# Allegro board RK3588S_Tablet_Demo_LP4XD200P232SD10H2_V11_20220218.brd (continued)
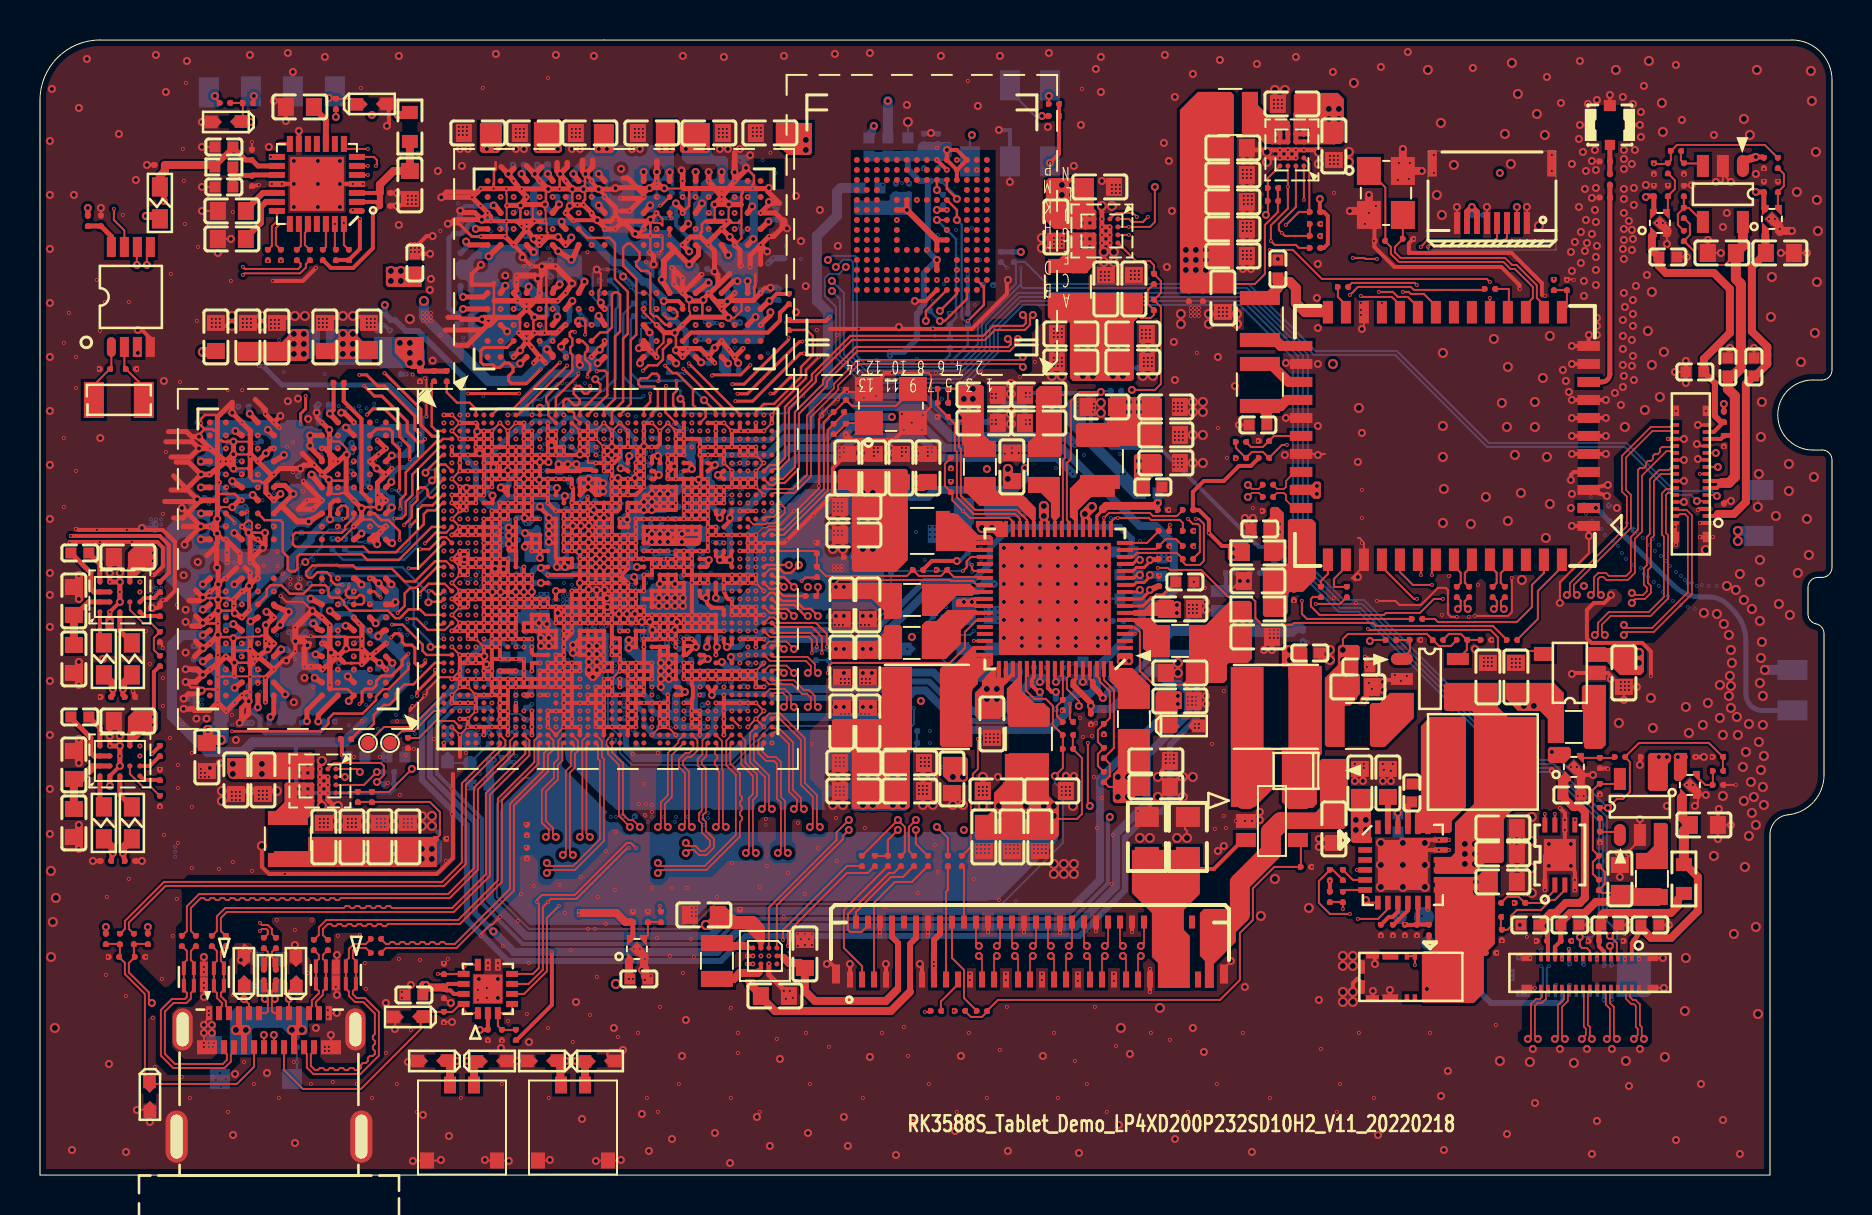
[diagram p0: board, top side]
## Routing (per net, layer and track width the routed paths; a pad name or vN(x,y) marks a point on that pad's centre or on a via; arc(x,y) is an arc through that point) (continued)
VBUS_TYPEC: length 6.2
  TOP w0.1: 9.94,7.45 9.95,7.46
  TOP w0.2: U2600.2 C2617.2 v5(21.99,7.25)
  TOP w0.3: J2600.B4 12.7,7.15 v4(12.59,7.25) ; J2600.A4 9.95,8.09 9.95,7.46 ; v4(13.09,7.25) 12.95,7.4 12.95,8.09 J2600.A9 ; v4(9.79,7.25) 9.94,7.45 ; J2600.B9 10.2,7.25
  TOP w0.5: v4(9.79,7.25) v4(10.29,7.25) ; v4(12.59,7.25) v4(13.09,7.25)
  BOTTOM w0.1: R2264.1 12.59,7.15 v4(12.59,7.25)
  vias: v4(65.79,17.75) v4(65.79,17.25) v4(66.29,17.75) v4(66.29,17.25)
VCC1V8_PMU_DDR_S3: length 216.4
  TOP w0.2: U1000.Y37 v5(34.49,30.75) U1000.V37 ; v5(63.99,48.8) R1112.1 64.19,48.15 64.39,47.95 64.39,46.55 64.19,46.35 R1111.1 ; U1000.V36 34.19,31.09 34.05,30.79 v5(33.99,30.75) 33.79,30.95 U1000.V35 ; U1000.N37 v5(34.49,32.85) 34.49,32.7 U1000.R36
  TOP w0.203: v5(14.5,32.78) 14.5,33.52 14.71,33.73 14.89,33.73 U3800.T4 ; U3801.T4 32.13,43.49 31.93,43.69 v5(31.19,43.69)
  TOP w0.254: 17.29,34.38 v5(17.57,34.65) ; U3801.U1 v5(33.05,40.63)
  TOP w0.279: v5(10.53,27.68) 10.56,27.67 U3800.G9 ; v5(26.08,47.67) 26.08,47.5 U3801.G9 ; v5(32.78,50.15) U3801.U12 ; v5(16.91,26.94) 17.19,27.23 U3800.F1 ; U3801.G4 v5(26.62,43.7) ; U3801.T9 32.15,47.3 v5(32.41,47.56) ; U3800.G4 v5(14.49,28.21) ; v5(10.63,34) 10.89,33.74 U3800.T9 ; U3801.F12 v5(25.4,50.05) ; v5(8.14,26.99) U3800.F12 8.49,27.23 ; U3801.F1 25.63,41 v5(25.35,41.29) ; U3800.U12 v5(8.04,34.38)
  TOP w0.4: v5(34.49,30.75) v5(33.99,30.75)
  TOP w0.5: C3841.1 8.79,41.15 v4(8.14,41.15)
  S06 w0.2: v5(63.99,48.8) 54.99,48.8 52.39,46.2
  S08 w0.2: 11.29,40.45 v3(11.14,40.45) v3(10.94,40.45) ; v3(51.69,38.75) v3(51.69,38.55) v3(51.69,38.35) v3(51.89,38.35) ; v3(54.24,35.05) v3(54.04,35.05) ; v3(51.49,35.2) v3(51.64,35.05)
  S08 w0.4: v3(54.04,35.05) v3(51.64,35.05) ; 32.79,52.75 32.79,50.17 v5(32.78,50.15) ; v5(25.4,50.05) 25.39,50.06 25.39,52.75
  S08 w0.5: v4(38.29,51.75) v4(38.29,51.25) ; 7.3,34.38 6.54,33.62 6.54,27.55 7.1,26.99 v5(8.14,26.99) ; 7.3,34.38 v5(8.04,34.38) ; 7.3,34.38 7.3,40.31 v4(8.14,41.15) 10.59,41.15 11.74,40 15.44,40 17.64,42.2 17.64,42.85 18.49,43.7 v4(19.19,43.7) ; 7.3,34.38 7.29,34.4
  S08 w0.8: 18.49,43.7 18.79,44 18.79,50.75 20.79,52.75 37.29,52.75 v4(38.29,51.75)
  GND09 w0.2: v3(11.14,40.45) v3(10.94,40.45)
  BOTTOM w0.2: R1113.1 R1114.1 17.69,19.3 17.49,19.1 13.39,19.1 12.79,19.7 12.79,21.54 12.89,21.64 ; 7.72,26.99 C3844.1 ; v5(33.05,40.63) 33.39,40.6 C3886.1 33.44,40.58 ; v3(10.94,40.45) v3(11.14,40.45)
  BOTTOM w0.25: v3(11.14,40.45) 12.09,39.5 17.44,39.5 19.09,37.85 19.09,36.15 18.32,35.38 17.93,35.38 C3848.1
  BOTTOM w0.254: 25.35,41.6 26.47,42.72 C3887.1 ; 25.35,41.6 25.32,41.57 C3890.1 ; 25.35,41.6 v5(25.35,41.29) ; v5(14.5,32.78) 14.56,32.78 14.57,32.79 C3847.1 ; v5(10.63,34) 10.55,33.92 C3845.1 9.49,33.92 9.04,34.38 v5(8.04,34.38) ; v5(32.41,47.56) 32.35,47.62 C3884.1 32.35,48.73 32.78,49.16 v5(32.78,50.15) ; v5(16.91,26.94) 16.6,26.94 15.48,28.06 C3842.1 14.64,28.06 v5(14.49,28.21) ; v5(31.19,43.69) 31.19,43.63 31.17,43.61 31.17,43.22 C3885.1
  BOTTOM w0.3: C1107.1 v5(33.99,30.75) ; v5(34.49,30.75) 34.49,32.2 C1106.1 34.49,32.5 v5(34.49,32.85) 34.49,33.12 C1101.1 ; v5(17.57,34.65) 17.6,34.65 C3848.1 ; v5(33.05,40.63) 32.29,41.39 32.29,42.2 31.79,42.7 31.58,42.7 31.19,43.09 C3885.1
  BOTTOM w0.305: C3887.1 26.47,43.55 v5(26.62,43.7) ; C3843.1 18.02,26.01
  BOTTOM w0.381: v5(8.14,26.99) 8.2,26.99 8.91,26.28 10.12,26.28 10.5,26.66 C3846.1 10.5,27.65 v5(10.53,27.68) 10.53,28.24 12.58,30.28 12.58,30.79 13.54,31.76 13.54,31.93 14.4,32.78 v5(14.5,32.78) ; 25.49,47.67 C3888.1 25.55,47.67 ; 25.49,47.67 25.55,47.67 ; 25.49,47.67 25.07,47.67 24.69,48.05 24.69,49.29 25.4,50 v5(25.4,50.05) 25.37,50.08 C3889.1 ; 25.55,47.67 v5(26.08,47.67) 26.64,47.67 28.69,45.62 29.19,45.62 30.16,44.65 30.33,44.65 31.19,43.8 v5(31.19,43.69)
  BOTTOM w0.4: 35.19,33.2 37.84,35.85 39.77,35.85 40.82,36.9 43.99,36.9 45.04,35.85 45.45,35.85 45.45,35.85 50.86,35.85 51.66,35.05 v3(51.64,35.05) ; 35.19,33.2 34.84,32.85 v5(34.49,32.85) ; 35.19,33.2 C1101.1
  BOTTOM w0.5: v5(16.91,26.94) 17.09,26.94 18.02,26.01 18.23,25.8 18.23,24.65 15.22,21.64 10.63,21.64 10.14,21.15 8.39,21.15 6.59,22.95 6.59,26.5 7.08,26.99 v5(8.14,26.99) ; R2211.1 51.49,37.7 54.04,35.15 v3(54.04,35.05) R2210.1
  BOTTOM w0.508: v5(25.35,41.29) 25.35,40.85 24.2,39.71 22.42,39.71 19.19,42.93 v4(19.19,43.7)
  vias: v2(52.19,38.65) v2(52.19,38.25) v3(51.89,38.75) v3(51.89,38.55)
VCC3V3_FLASH: length 7.8
  TOP w0.25: U4000.J10 v5(43.34,48.25) U4000.K9 ; U4000.E6 44.84,46.75 U4000.F5
  TOP w0.3: 44.84,46.75 v5(43.34,48.25)
  BOTTOM w0.1: 42.79,48.45 42.79,49.03 43.44,49.03
  BOTTOM w0.5: v5(43.34,48.25) 43.14,48.45 C4007.1 R9693.2
VCC_1V1_NLDO_S3: length 27.6
  TOP w0.1: v4(65.14,26.25) 65.14,26.8 65.39,27.05 69.34,27.05 C2325.1 69.94,26.45 70.54,26.45 R2313.1
  TOP w0.15: v5(55.49,30.75) 55.54,30.71 55.21,30.38 54.82,30.38 54.65,30.2 U2200.13 ; v5(55.49,29.25) 55.49,29.2 55.09,28.8 U2200.9
  TOP w0.25: v5(55.49,30.75) 55.8,30.77 55.91,30.77 C2257.1
  TOP w0.3: C2264.1 v5(55.49,29.25)
  S08 w0.1: 65.29,26.3 65.19,26.3 v4(65.14,26.25) 65.24,26.25 65.49,26 65.49,26
  S08 w0.4: 56.04,28.95 55.74,29.25 v5(55.49,29.25) ; v5(55.49,30.75) 55.54,30.8 55.79,30.8
  S08 w0.5: v4(65.14,26.25) v4(65.14,25.75)
  S08 w1: 65.49,26 65.49,25.55 64.85,24.9 61.39,24.9 59.14,27.15 56.66,27.15 56.04,27.77 56.04,28.95 56.29,29.2 56.29,30.33 55.83,30.8 55.79,30.8 ; 65.49,26 65.44,26 ; 65.49,26 65.49,26.01
VCC_1V2_CAM1: length 22.5
  TOP w0.1: 84.79,46.05 84.24,45.5 82.89,45.5 82.74,45.65 82.74,46.15 C4629.1 82.49,47 82.49,47.55 R4645.1
  TOP w0.2: J4600.13 84.04,36.8 C4601.1 ; J4600.6 83.84,34.35 84.09,34.6 83.99,34.7 J4600.7
  TOP w0.25: C4601.1 84.22,36.98 84.74,36.98 84.74,36.95
  TOP w0.5: 84.74,36.95 84.74,34.9 84.44,34.6 84.09,34.6 ; 84.74,36.98 84.74,38.95 84.39,39.3 C4630.1 84.65,39.95 85.04,40.34 85.04,44.53 85.02,44.56 85.02,44.58 84.79,44.8 C4600.1 85.14,46.45 U4602.5
VCC_1V05: length 10
  TOP w0.1: C4700.1 78.99,14.23 ; C4721.1 78.24,15.15 78.24,14.55 R4735.2 78.09,14.1 78.94,14.1
  TOP w0.2: C4701.1 75.74,11.4 J4700.13
  TOP w0.25: C4722.1 C4701.1
  TOP w0.4: 78.94,14.1 78.97,14.1 ; 78.97,14.1 78.52,13.65 77.79,13.65 77.24,13.1 76.51,13.1 75.98,12.57 76.04,12.57 C4722.1 ; 78.97,14.1 C4700.1
  TOP w0.5: L4700.2 80.59,14 78.99,14 C4700.1
VCC_1V8_CAM1: length 14.7
  TOP w0.1: U4601.N1 80.59,47.08 ; 80.59,47.08 80.59,46.95 ; 80.59,47.08 80.59,47.08 80.62,47.1
  TOP w0.2: C4603.1 83.92,37.38 83.69,37.15 J4600.14
  TOP w0.3: C4602.1 83.74,39.6 83.74,37.95 84.04,37.65 C4603.1
  TOP w0.4: 80.59,46.95 80.59,46.25 C4623.1 80.94,45.45 81.29,45.1 83.69,45.1 84.49,44.3 84.49,42.1 83.19,40.8 C4602.1
VCC_1V8_CAM34: length 11.7
  TOP w0.1: 76.24,19.83 76.24,19.8 ; 76.24,19.83 76.32,19.9 ; 76.24,19.83 76.24,19.85 76.34,19.95 76.37,19.95
  TOP w0.2: J4700.14 75.39,11.65 C4703.1
  TOP w0.25: C4702.1 75.37,12.08 75.37,11.73 C4703.1
  TOP w0.4: C4702.1 75.54,13.1 75.79,13.1 76.29,13.6 76.99,13.6 77.24,13.85 77.24,18.16 77,18.4 76.65,18.4 76.21,18.85 76.21,19 C4719.1
  TOP w0.5: 76.24,19.8 76.14,19.7 C4719.1
VCC_1V8_LCD: length 21.2
  TOP w0.1: 29.47,10.8 29.52,10.85 U7006.N1
  TOP w0.3: 45,12.65 45,12.05 44.7,11.75 44.7,11.08 44.69,11.08 v1(44.69,10.65) v1(44.69,10.45) 44.69,9.78 J5500.15 ; 29.44,10.65 29.44,10.78 29.47,10.8
  TOP w0.4: C9629.1 29.44,9.85 29.44,10.65
  S03 w0.3: v1(44.69,10.65) v1(44.69,10.45)
  S03 w0.4: v1(44.69,10.45) 44.69,9.35 44.29,8.95 30.29,8.95 v1(29.44,9.8)
  vias: v1(29.64,9.8)
VCC_1V8_S0: length 216.9
  TOP w0.15: v5(50.79,24.65) 50.74,24.7 U2200.60
  TOP w0.2: v5(50.49,50.6) 50.94,51.05 R1904.1 R1905.1 ; U1000.G31 32.49,35.6 32.59,35.5 v5(32.59,35.3) 32.54,35.25 U1000.H31 ; U1000.AC33 32.99,28.95 33.09,28.85 v5(33.29,28.85) ; U1000.G27 30.59,35.9 30.66,35.96 30.89,35.96 v5(30.89,35.95) 30.92,35.98 30.99,35.9 U1000.G28 ; U1000.AJ34 33.39,26.4 v5(33.34,26.4) ; v5(33.29,28.85) 33.39,28.85 U1000.AC34 ; v5(33.29,28.85) 33.34,28.8 33.35,28.59 33.59,28.35 34.09,28.35 34.19,28.25 U1000.AF36 ; v1(15.99,47.8) 15.99,46.3 R1510.1 R1509.1
  S03 w0.2: v5(16.59,53) 16.09,52.5 16.09,47.9 v1(15.99,47.8) ; v2(24.14,26.1) v1(24.19,26.4)
  S03 w0.3: v5(33.34,26.4) 33.34,28.85 v5(33.29,28.85)
  S03 w0.5: v2(49.24,37.35) 49.24,38.8 49.74,39.3 49.74,41.74 50.19,42.19 50.19,44.32 49.04,45.47 v5(49.04,46.15) 49.04,49.15 v5(50.49,50.6)
  S06 w0.1: v5(50.79,24.65) 50.8,24.66 50.8,24.75
  S06 w0.2: 16.59,54.35 v5(16.59,53)
  S06 w0.3: 50.89,25.9 50.98,25.9 51.34,26.27 51.34,31.65 50.94,32.05 50.79,32.05 50.44,31.7 50.44,26.27 50.81,25.9 50.89,25.9 ; 50.89,25.9 50.88,25.92
  S06 w0.4: 18.49,24.6 18.49,22 v2(18.09,21.6) 17.99,21.5 17.49,21.5 16.89,20.9 15.5,20.9 14.6,20 12.49,20 11.29,21.2 8.49,21.2 6.59,23.1 6.59,38.15 7.09,38.65 7.09,49.21 7.99,50.1 8.99,50.1 13.24,54.35 41.74,54.35 v5(42.39,53.7)
  S06 w0.5: 50.89,25.9 50.8,25.81 50.8,24.75 ; v5(50.49,50.6) 50.49,51.1 47.34,54.25 42.94,54.25 v5(42.39,53.7) ; v5(49.24,35.35) 50.29,35.35 50.79,34.85 50.79,32.05
  S08 w0.2: v3(23.94,26.4) v2(24.14,26.1) ; v3(18.19,21.3) 18.09,21.4 v2(18.09,21.6) 18.19,21.6 v3(18.49,21.3)
  S08 w0.5: v5(49.24,35.35) v2(49.24,37.35) v3(49.24,37.7) v3(49.24,37.9)
  BOTTOM w0.1: v5(50.49,50.6) J7006.1
  BOTTOM w0.2: 49.04,38.55 49.59,39.1 52.26,39.1 52.54,38.82 52.54,37.37 53.56,36.35 55.99,36.35 60.94,31.4 R1916.1 R1917.1 61.69,30.7 62.19,30.2 R2359.1 ; C1302.1 23.69,26.65 v3(23.94,26.4)
  BOTTOM w0.25: v5(33.34,26.4) 33.34,26.7 C1903.1 ; R1921.1 R1922.1 v5(49.04,46.15)
  BOTTOM w0.3: v5(32.59,35.3) 32.59,36.55 32.79,36.75 36.49,36.75 37.17,37.43 R1911.1 R1910.1 38.57,38.53 38.99,38.95 44.24,38.95 45.54,37.65 47.42,37.65 48.32,38.55 49.04,38.55 49.24,38.35 v3(49.24,37.9) v3(49.24,37.7) ; v5(50.79,24.65) 50.99,24.85 C2246.1 ; 32.62,36.25 32.24,36.25 32.22,36.28 30.89,36.28 v5(30.89,35.95)
  BOTTOM w0.4: v5(49.24,35.35) 49.24,34.8 48.69,34.25 44.74,34.25 44.39,33.9 43.54,33.9 42.64,34.8 38.26,34.8 35.49,32.04 35.49,30.1 34.78,29.39 C1904.1 C1902.1 33.29,29.38 v5(33.29,28.85)
  BOTTOM w0.5: v5(42.39,53.7) R9692.1
VCC_1V8_S3: length 68.3
  TOP w0.1: C2243.1 51.24,39 51.24,35.85 51.14,35.75 51.14,32.75 51.09,32.55 U2200.25
  TOP w0.2: v5(59.64,31.3) 59.49,31.45 59.09,31.45 v1(58.44,32.1) 58.44,32.75 57.94,33.25 R2261.1 57.64,34.15 58.19,34.7 59.19,34.7 59.94,35.45 60.54,35.45 R2112.2 ; v5(45.84,30.7) 44.59,30.7 R2263.1
  S03 w0.2: v1(58.44,32.1) 58.04,31.7 57.29,31.7 56.89,31.3 56.69,31.1 56.34,31.1 56.14,31.3 53.89,31.3 53.79,31.2 53.79,31.15 53.5,30.85 46.73,30.85 46.68,30.8 45.94,30.8 v5(45.84,30.7)
  S03 w0.5: v5(41.69,52.45) 42.44,52.45 45.29,49.6 45.69,49.6 45.94,49.35 46.07,49.35 46.39,49.03 46.39,48.9 47.59,47.7 47.59,37.4 48.29,36.7 49.59,36.7 50.34,37.45 v4(50.34,38.3) v4(50.84,38.3)
  S08 w0.5: v5(59.64,30.9) v5(59.64,31.3) ; v4(50.34,38.3) v4(50.84,38.3)
  S08 w0.8: v5(59.64,31.3) 59.64,32.45 54.74,37.35 51.79,37.35 v4(50.84,38.3)
  BOTTOM w0.2: v5(45.84,30.7) 45.99,30.7 R2113.1
  BOTTOM w0.4: R9701.1 41.49,51.85 v5(41.69,52.45)
VCC_1V8_S3_PLDO6: length 5.2
  TOP w0.1: v5(55.89,33.6) C2248.1
  TOP w0.15: U2200.20 52.84,32.95 53.14,33.25 53.14,33.3
  TOP w0.25: v5(55.89,33.6) 55.87,33.28 55.87,33.25
  TOP w0.4: 53.14,33.3 53.14,33.3 53.3,33.45 55.74,33.45 v5(55.89,33.6)
  BOTTOM w0.4: R2210.2 v5(55.89,33.6)
VCC_2V0_PLDO_S3: length 25.9
  TOP w0.1: v5(39.79,29.4) 39.79,29.6 39.94,29.75 45.49,29.75 45.54,29.7 46.64,29.7 46.84,29.5 U2200.41
  TOP w0.15: 50.39,24.8 U2200.59
  TOP w0.2: v5(50.79,24.15) 50.59,24.15 50.39,24.35 50.39,24.8
  POWER05 w0.4: 50.79,24 v5(50.79,24.15) ; v5(40.19,29.4) 39.89,29.4
  POWER05 w0.7: 51.45,25.1 51.45,24.31 51.14,24 50.79,24
  POWER05 w0.8: 51.45,25.1 51.04,25.5 43.84,25.5 42.84,26.5 42.84,28 42.14,28.7 40.59,28.7 39.89,29.4 v5(39.79,29.4)
  BOTTOM w0.3: C2247.1 v5(50.79,24.15)
VCC_2V8_AF_CAM34: length 7.1
  TOP w0.2: J4700.6 78.19,11.19 77.94,11.44 C4707.1
  TOP w0.25: C4706.1 77.94,12.5 C4707.1
  TOP w0.4: R4718.2 81.89,13.78 81.89,13.45 81.54,13.1 78.19,13.1 78.04,12.95 C4706.1
VCC_2V8_CAM1: length 17.1
  TOP w0.1: U4600.N1 86.27,47
  TOP w0.2: J4600.2 83.79,32.95 83.89,33.05
  TOP w0.4: 83.89,33.05 C4605.1 84.69,33.05 85.29,33.65 85.29,39.55 C4619.1 85.73,39.95 85.73,39.92 86.37,40.55 86.37,40.99 86.37,41.4 85.59,42.18 85.59,45.4 C4604.1 86.27,46.1 86.27,47
VCC_2V8_CAM34: length 12.4
  TOP w0.1: 82.09,18.98 82.09,18.98 82.12,19 ; 82.09,18.98 U4702.N1 ; 82.09,18.98 82.09,18.85
  TOP w0.2: 79.59,11.58 79.59,11.6 C4705.1 ; 79.59,11.58 J4700.2 ; 79.59,11.58 79.72,11.7
  TOP w0.25: 79.72,11.7 79.72,11.73 79.94,12.1 79.94,12.5 C4729.1
  TOP w0.4: 82.27,15.53 82.89,14.9 82.89,13.2 81.55,11.85 80.56,11.85 79.98,12.44 80.04,12.44 C4729.1
  TOP w0.5: 82.09,18.85 82.09,17.9 C4704.1 82.19,17.2 R4718.1 82.29,15.53
VCC_3V3_S0: length 190.5
  TOP w0.2: U1000.AL33 33.19,26 v5(33.39,25.8) U1000.AM33 ; R1915.1 v1(64.49,14.7) 64.49,14.73
  TOP w0.3: J7002.6 71.85,48.15 v5(71.59,48.4) 71.35,48.16 J7002.7
  S03 w0.2: v2(61.89,17.8) 64.49,15.2 v1(64.49,14.7)
  S03 w0.4: v2(39.74,17.35) 39.74,16.95 39.94,16.75 45.69,16.75 v5(46.19,17.25) ; v2(55.44,26.5) 55.94,27 63.66,27 65.19,28.54 65.19,30.6 65.39,30.8 65.39,34.5 65.19,34.7 65.19,42.85 64.69,43.35 64.69,45.97 64.49,46.17 v2(64.49,46.9)
  S06 w0.2: 48.59,17.6 48.84,17.35 50.98,17.35 51.53,17.9 v5(53.49,17.9) 59.81,17.9 60.36,17.35 61.44,17.35 v2(61.89,17.8)
  S06 w0.4: v5(33.39,25.8) 33.39,25.45 36.39,22.45 36.39,20.1 37.14,19.35 37.14,17.9 38.14,16.9 39.29,16.9 v2(39.74,17.35) ; v5(46.19,17.25) 48.24,17.25 48.59,17.6 48.59,20.15 51.29,22.85
  S06 w0.5: v2(52.04,36.3) 51.44,35.7 51.44,32.85 52.34,31.95 52.34,26.05 51.5,25.2 51.5,23.96 51.29,23.75 51.29,22.85 52.95,22.85 55.44,25.35 v2(55.44,26.5)
  S08 w0.2: v2(55.44,26.5) v3(55.79,26.65) ; v2(55.44,26.5) v3(55.79,26.45) v3(55.79,26.65) ; v2(55.44,26.5) 55.79,26.85 v3(55.8,26.85) v3(55.79,26.65) ; v3(51.59,36.65) v3(51.74,36.5)
  S08 w0.4: v3(51.74,36.5) v2(52.04,36.3) ; v5(71.59,48.4) 70.09,46.9 v2(64.49,46.9)
  S08 w0.5: v3(39.39,39.7) v3(39.39,39.5) 39.39,39.1 40.04,38.45 v3(40.69,38.45) v3(40.89,38.45)
  BOTTOM w0.1: v3(55.79,26.65) 55.82,26.68 R2308.2 56.04,26.45 v3(55.79,26.45)
  BOTTOM w0.2: v5(53.49,17.9) 53.39,17.8 53.39,14.59 51.61,12.8 34.94,12.8 33.69,11.55 24.13,11.55 22.09,13.59 22.09,17.81 19.84,20.06 19.84,22.45 20.74,23.35 R2601.1
  BOTTOM w0.25: v3(40.69,38.45) v3(40.89,38.45) ; C9633.2 71.64,48.35 v5(71.59,48.4)
  BOTTOM w0.3: v5(33.39,25.8) 33.35,25.76 C1907.1 ; v3(51.59,36.65) v3(51.74,36.5)
  BOTTOM w0.5: U2304.1 C2331.1 56.57,27.2 R2308.2 ; R9693.1 40.04,49.35 39.84,49.15 39.84,47.95 38.84,46.95 38.84,43.7 39.39,43.15 v3(39.39,39.7) v3(39.39,39.5) ; v3(51.59,36.65) 51.34,36.9 45.54,36.9 43.99,38.45 v3(40.89,38.45)
VCC_3V3_S3: length 184.3
  TOP w0.1: v5(75.59,21.15) 75.59,20.78 ; 27.04,13.1 v1(26.94,13.2) ; C2238.1 57.69,25.05 57.14,24.5 55.69,24.5 54.99,25.2 54.99,27.16 54.85,27.3 54.79,27.3 54.69,27.4 U2200.5 ; 80.67,48.16 U4601.N4
  TOP w0.2: R2615.2 23.84,6.75 25.59,8.5 v1(25.59,11.15) ; v1(26.94,13.2) v1(26.94,13)
  TOP w0.25: U7006.N4 29.64,11.88 29.64,12.63 ; v5(85.79,50.9) 86.14,50.9 C4628.1 ; 29.62,12.63 29.59,12.65 29.52,12.65 ; 29.62,12.63 29.64,12.63 ; 29.62,12.63 C9628.1 29.64,12.63 ; v5(80.29,48.9) 80.34,48.95 C4620.1 80.69,48.18 80.67,48.16 ; v5(85.79,49.15) C4618.1 86.19,48.33 U4600.N4
  TOP w0.4: v5(85.79,50.9) 85.14,50.7 U4602.1 ; 27.04,13.1 28.82,13.1 29.27,12.65 29.52,12.65
  S03 w0.2: v4(64.64,40.55) 64.64,42.7 64.29,43.05 64.29,45.8 63.99,46.1 v1(63.99,46.95) ; v1(26.94,13.2) v2(26.64,13.1) v1(26.94,13) v1(26.94,13.2)
  S03 w0.3: v2(26.64,13.1) 26.64,12.07 25.73,11.15 v1(25.59,11.15) 19.74,11.15 18.04,12.85 12.89,12.85 12.64,12.6 12.64,12.6 11.94,11.91 11.94,11.91 11.44,11.4 10.8,11.4 10.29,11.91 10.29,13.3 8.34,15.25 8.34,16
  S03 w0.5: v5(59.94,27.6) v5(60.34,27.6) 63.48,27.6 64.64,28.77 64.64,30.9 64.84,31.1 64.84,34.2 64.64,34.4 v4(64.64,40.55)
  S06 w0.4: v5(81.89,20.9) 81.89,21.07 81.56,21.4 78.29,21.4 77.79,20.9 75.84,20.9 v5(75.59,21.15) ; 65.34,21.15 64.04,19.85 64.04,17.65 63.34,16.95 60.19,16.95 59.74,17.4 51.59,17.4 51.14,16.95 48.69,16.95 48.49,16.75 46.99,16.75 46.34,16.1 41.7,16.1 38.7,13.1 v2(26.64,13.1)
  S06 w0.5: v5(75.59,21.15) 65.34,21.15 59.94,26.55 v5(59.94,27.6) 60.32,27.6 60.32,27.6 v5(60.34,27.6)
  S08 w0.4: 60.19,27.6 60.32,27.6 ; 60.19,27.6 v5(59.94,27.6) ; 60.19,27.6 55.94,31.85 49.49,31.85 47.34,34 v5(47.34,35.3) ; 60.32,27.6 60.32,27.6 v5(60.34,27.6) 60.32,27.6
  S08 w0.5: v4(64.64,40.55) 67.64,40.55 70.04,42.95 77.14,42.95 80.29,46.1 v5(80.29,48.9) 85.54,48.9 v5(85.79,49.15) 86.34,49.7 86.34,50.35 v5(85.79,50.9)
VCC_BAT: length 128.4
  TOP w0.1: v4(74.69,23.45) 74.78,24.15 U7003.5 75.34,24.15 75.79,23.7 L6303.1 ; v4(74.19,23.45) 74.15,23.45 74.15,24.2 C9616.1
  TOP w0.25: R9681.2 v5(2.39,48.35)
  S03 w0.3: v2(29.69,5.35) 29.74,5.3 66.59,5.3 69.34,8.05 v5(69.34,9.3)
  S03 w0.5: v4(74.19,23.45) v4(74.69,23.45) ; v4(71.79,14.15) v4(71.79,14.65)
  S03 w1: v4(71.79,14.65) 72.05,14.65 72.64,15.24 72.64,22.55 73.55,23.45 v4(74.19,23.45)
  S08 w0.3: v5(2.39,48.35) 2.39,47.35 0.94,45.9 0.94,24.7 1.49,24.15 1.49,10.7 8.54,3.65 27.99,3.65 v2(29.69,5.35)
VCC_RTC: length 1.9
  TOP w0.25: U2102.8 3.57,46.93 C2126.1 R9681.1
VCC_SYSIN: length 58.3
  TOP w0.1: v4(50.19,32.95) 50.19,32.9
  TOP w0.15: v5(46.19,28.65) v5(46.59,28.65) ; C2252.1 U2200.64 ; U2200.27 50.39,32.62 50.19,32.9 50.04,32.6 U2200.28
  TOP w0.2: U2200.22 52.14,32.95 v4(52.24,33.05) 52.49,32.75 U2200.21 ; U2200.44 46.79,28.45 v5(46.59,28.65) 46.74,28.8 U2200.43 ; v5(5.69,22.9) 5.69,25.15 R9691.1 ; 48.29,24.7 48.64,25.05 U2200.54 ; 48.29,24.7 48.09,24.5 ; 48.29,24.7 U2200.53 ; v5(52.14,24.65) C2252.1 ; U2600.12 20.39,9.55 C2615.1 20.32,9.23 20.52,9.23 20.69,9.05 U2600.13 ; U2200.7 54.74,28.1 ; v4(47.34,24.3) 47.34,24.85 47.79,25.3 U2200.52 47.94,24.6 47.94,24.4 v4(47.84,24.3)
  TOP w0.24: U2301.E1 64.69,52.05 ; U2301.E1 63.19,53.55 C2308.1 62.79,53.05 U2301.E2 ; U2301.E1 U2301.E2 ; 64.69,52.05 64.69,51.65 64.69,51.65 U2301.D1 U2301.D2 U2301.E2 ; 64.69,52.05 C2309.1 ; 12.79,20.3 12.79,20.7 13.19,20.7 ; 12.79,20.3 12.79,19.9 ; 12.79,20.3 U2302.E1 ; U2300.E2 U2300.E1 ; U2300.E2 51.9,47.4 51.89,47.4 ; U2300.E2 U2300.D2 U2300.D1 ; U2300.E1 52.29,48.2 ; U2300.E1 51.89,47.8 ; U2300.E1 U2300.D1 ; U2302.E2 12.79,19.9 ; U2302.E2 U2302.E1 ; U2302.E2 U2302.D2 U2302.D1 ; 12.79,19.9 11.49,19.9 ; C2316.1 10.79,20.45 ; U2302.E1 13.19,20.7 ; U2302.E1 U2302.D1 ; U2302.D1 13.59,20.7 13.6,20.7 ; U2300.D1 52.69,48.15 52.64,48.2 52.29,48.2 ; 13.19,20.7 13.6,20.7 ; 13.6,20.7 13.6,20.95 13.58,20.95 13.53,21 11.64,21 ; 52.29,48.2 51.89,48.2 51.89,47.8 ; 51.89,47.4 51.89,47.4 ; 51.89,47.4 51.89,47.8
  TOP w0.25: U7004.D4 4.49,22.1 C7034.1 ; U7005.D4 4.49,30.3 C9621.1 ; 36.04,11.7 J7012.C1
  TOP w0.3: 54.74,28.1 v5(56.84,28.1)
  TOP w0.4: C2615.1 20.17,9.38 19.4,9.38 v5(19.29,9.5) 19.17,9.5 19.14,9.48 C2614.1 ; C5500.1 34.19,13 34.54,12.65 35.69,12.65 36.04,12.3 36.04,11.7 ; 44.39,34.8 C2213.1 44.14,34.4 v5(43.79,34.4) v5(43.79,34.8) 44.39,34.8
  TOP w0.5: v4(50.19,33.45) v4(50.19,32.95) ; C2241.1 48.39,34.7 v4(48.39,34.8) v4(48.39,35.3) ; v4(33.29,12.5) 33.51,12.5 33.89,12.89 C5500.1 ; v4(52.59,33.4) v4(52.24,33.05)
  S03 w0.5: v4(33.29,12.5) 29.04,12.5 28.79,12.25 v4(28.79,9.55)
  BOTTOM w0.1: v5(52.14,24.65) C2252.1
  vias: v4(9.64,20.55) v4(9.64,20.05) v4(11.09,20.55) v4(11.09,20.05) v4(45.64,19.9) v4(46.14,19.9) v4(47.09,32.35) v4(47.34,23.8) v4(47.59,32.35) v4(47.84,23.8) v4(51.09,49.5) v4(51.09,49) v4(51.59,49.5) v4(51.59,49) v4(54.94,35.7) v4(54.94,35.2) v4(62.49,26.25) v4(62.49,25.75) v4(64.44,53.3) v4(64.44,52.8) v4(64.94,53.3) v4(64.94,52.8) v4(71.24,16.55) v4(71.24,16.05) v4(71.24,15.55) v4(71.74,16.55) v4(71.74,16.05) v4(71.74,15.55) v5(5.69,31.1) v5(5.69,30.7) v5(5.69,22.5) v5(54.04,25.7) v5(54.44,25.7) v5(56.84,28.5) v5(56.89,23.95) v5(56.89,23.55) v5(80.94,20.9) v5(81.34,20.9)
VCCA1V8_CODEC: length 12
  TOP w0.2: C7001.1 16.54,49.1 U7000.3 ; R7009.2 14.54,45.35 15.66,45.35 16.64,46.34 16.64,48.1 C7000.1 16.79,48.65 U7000.2
  TOP w0.3: C7001.1 C7000.1
  TOP w0.4: R7001.2 C7006.1 17.68,50.2 16.99,49.52 C7001.1
VCCA3V3_CODEC: length 119.6
  TOP w0.25: U7000.16 10.89,50.45 C7002.1 10.29,50.75 C7016.1
  TOP w0.3: v5(6.19,48.7) 6.19,49.1 5.99,49.3 FB7000.2 ; R7000.1 8.74,50.43 8.72,50.43 9.67,51.38 9.64,51.38 C7016.1
  TOP w0.4: R7000.1 8.64,50.5 C7017.1 6.24,50.2 5.99,49.95 FB7000.2
  S03 w0.3: v2(70.49,8.9) 70.49,8.64 66.76,4.9 29.49,4.9 23.69,10.7 19.78,10.7 19.73,10.75 19.58,10.75 17.88,12.45 13.06,12.45 11.61,11 10.63,11 9.89,11.74 9.89,13.1 7.94,15.05 7.94,18.6 v2(7.99,18.65)
  S06 w0.3: v2(7.99,18.65) 3.4,18.65 2.44,19.61 2.44,37.71 5.59,40.86 5.59,44.8 6.04,45.25 6.04,48.55 v5(6.19,48.7)
  S08 w0.2: v2(70.49,8.9) v3(70.49,9.2)
VCCA_3V3_S0: length 123.9
  TOP w0.15: 51.68,24.68 51.79,24.8 U2200.63
  TOP w0.25: v5(52.54,23.45) 52.53,23.19 52.53,23.07 C2251.1
  TOP w0.3: 51.68,24.68 51.68,24.47 52.54,23.6 v5(52.54,23.45)
  TOP w0.4: FB7000.1 5.84,47.95 v5(5.29,47.95)
  S03 w0.2: v1(23.79,24) v2(23.4,24)
  S08 w0.2: v3(22.39,24) 22.39,24 v2(23.4,24)
  S08 w0.4: v5(22.67,12.18) 19.74,15.1 9.24,15.1 6.19,18.15 6.19,23.5 4.99,24.7 4.99,24.73 1.39,28.33 1.39,45.68 3.67,47.95 v5(5.29,47.95)
  BOTTOM w0.1: 22.39,23.95 v3(22.39,24)
  BOTTOM w0.3: v5(22.67,12.18) 21.74,13.1 21.74,17.67 19.49,19.92 19.49,22.6 20.84,23.95 22.42,23.95
  BOTTOM w0.4: v5(22.67,12.18) 23.69,11.15 33.86,11.15 35.11,12.4 51.78,12.4 53.79,14.42 53.79,17.05 55.34,18.6 55.34,20.99 57.39,23.04 57.39,24.16 57.1,24.45 57.04,24.45 56.94,24.55 56.44,24.55 56.04,24.95 R2308.1 55.51,25.23 55.09,24.81 55.09,24.81 53.58,23.3 52.69,23.3 v5(52.54,23.45)
VCCIO_FLASH: length 58.1
  TOP w0.2: U1000.AB35 U1000.AC35 v5(33.79,28.85) ; U4000.M4 U4000.N4 ; U4000.N4 U4000.P3 45.84,51.25 v5(45.34,51.25) U4000.P5 U4000.N4
  TOP w0.25: v5(44.84,45.75) U4000.C6
  POWER05 w0.3: v5(33.79,28.85) 35.89,26.75 41.73,26.75 42.04,26.44 v2(42.04,26.3)
  S06 w0.3: v2(42.39,39.85) 41.34,39.85 41.09,40.1 40.16,40.1 37.64,37.59 37.64,34.36 39.14,32.86 39.14,31.1 40.04,30.2 41.48,30.2 42.14,29.54 42.14,26.4 v2(42.04,26.3)
  S08 w0.2: v3(46.39,45.05) 45.69,45.75 v5(44.84,45.75)
  S08 w0.3: v2(42.39,39.85) 42.49,39.95 v3(42.49,40.95) v3(42.49,41.15)
  BOTTOM w0.1: 45.04,50.95 45.04,51.05 44.89,51.2 44.89,51.53 44.19,51.53 44.19,50.88
  BOTTOM w0.2: R4004.1 v3(46.39,45.05)
  BOTTOM w0.3: v3(42.49,40.95) v3(42.49,41.15) 43.19,41.15 43.84,41.8 43.84,43.05 R4002.1 43.99,43.3 44.19,43.5 44.19,45.1 v5(44.84,45.75) 44.39,46.2 44.39,49.55 R4003.1 43.99,49.7 43.39,50.3 C4004.1 ; C1300.1 33.87,28.77 v5(33.79,28.85)
  BOTTOM w0.4: R9701.2 R9692.2
  BOTTOM w0.5: v5(45.34,51.25) 45.04,50.95 C4004.1 R9692.2
VCCIO_SD_S0: length 74.1
  TOP w0.15: 52.64,24.66 52.49,24.8 U2200.65
  TOP w0.3: v5(53.14,23.85) 52.94,24.15 52.94,24.15 52.64,24.45 52.64,24.66
  S03 w0.2: v1(23.79,26.4) v2(23.64,26.1)
  S08 w0.2: v2(23.64,26.1) v3(23.34,26.4)
  BOTTOM w0.2: C1301.1 23.09,26.65 v3(23.34,26.4)
  BOTTOM w0.3: C1301.1 22.29,26.65 21.07,25.43 21.07,24.78 19.09,22.8 19.09,19.75 21.34,17.5 21.34,12.75 23.39,10.7 34.04,10.7 35.29,11.95 51.96,11.95 54.24,14.24 54.24,16.85 55.54,18.15 56.04,18.15 56.49,18.6 56.49,21.5 57.84,22.85 57.84,25.75 57.49,26.11 56.5,26.11 56.29,25.9 55.54,25.9 55.19,25.55 55.19,25.55 53.94,24.3 C2253.1 53.34,24.1 53.34,24.05 v5(53.14,23.85)
VCCIO_WL: length 21.4
  TOP w0.1: 61.67,33.2 61.67,32.93 61.44,32.7 61.44,32.53 ; 61.44,32.53 C6319.1 ; 61.44,32.53 61.67,32.53 v5(61.94,32.55)
  S03 w0.2: v2(74.44,33.3) 74.79,32.95 74.79,28.8
  S03 w0.4: v5(63.84,34.05) v5(63.84,34.45) ; v5(61.94,32.55) v5(61.94,32.15)
  S03 w0.5: v5(63.84,34.05) 63.84,33.9 64.04,33.7 64.04,33.57 64.04,33.54 64.04,32.8 63.79,32.55 v5(61.94,32.55)
  S06 w0.2: v2(74.44,33.3) 74.44,33.4 64.49,33.4 v5(63.84,34.05)
VDD2_DDR_S3: length 106.3
  TOP w0.1: C2215.1 46.49,37.7 45.94,37.7 45.94,36.4 46.04,36.3 46.04,33.97 46.76,33.25 48.84,33.25 49.34,32.75 U2200.30 ; v4(46.64,39.3) C2216.1 R2218.1
  TOP w0.2: v5(36.47,43.7) 36.82,44.05 R3803.2
  TOP w0.203: R3801.2 14.68,39.33 14.68,39.33 14.68,38.25 v5(14.49,38.07)
  TOP w0.254: U3800.R8 v5(12.67,34.05) 12.24,34.48 11.8,34.48 U3800.U8 ; 17.29,31.78 17.48,31.59 v5(17.61,31.59) ; v5(30,40.59) 30,40.72 U3801.N1 ; U3801.A9 v5(21.79,47.3) ; U3801.R1 31.52,40.9 31.81,40.61 v5(31.81,40.58) ; U3801.U8 32.93,46.36 32.93,46 v5(32.46,45.53) U3801.R8 ; v5(17.59,33.38) 17.59,33.37 17.29,33.08 ; U3800.A9 v5(10.89,23.39) ; v5(13.91,22.68) 13.91,22.99 U3800.A4 ; U3801.A4 v5(21.16,43.3)
  TOP w0.279: U3800.R12 v5(8.05,33.08) ; U3801.F8 v5(25.9,46.19) 26.56,45.77 26.56,45.76 v5(26.57,45.76) 26.64,45.79 U3801.H8 ; U3801.K12 v5(27.94,50.05) ; U3800.H5 14.09,28.53 v5(13.53,28.82) ; U3801.K3 28.09,42.74 27.96,42.95 v5(27.94,42.96) ; v5(25.98,44.53) 25.96,44.46 25.71,44.34 U3801.F5 ; U3800.K1 17.57,29.55 v5(17.57,29.53) ; U3801.N10 v5(30.51,48.48) ; U3801.N3 v5(30.48,42.13) ; U3800.H1 17.29,28.53 17.65,28.53 v5(17.77,28.65) ; U3801.AB4 v5(36.47,43.7) ; U3801.N12 v5(30.18,50.15) ; v5(8.14,28.26) U3800.H12 8.49,28.53 ; U3801.R12 v5(31.48,50.14) ; U3800.R5 v5(13.43,32.68) ; v5(14.49,38.07) U3800.AB4 ; v5(16.08,29.52) 15.77,29.83 15.69,29.83 U3800.K3 ; U3801.AB9 v5(36.42,47.67) ; U3800.AB9 10.49,38.06 v5(10.49,38.06) ; U3800.N12 v5(8.04,31.78) ; U3801.K10 v5(27.94,48.48) ; U3801.U5 v5(33.42,44.62) ; U3800.F8 11.69,27.23 v5(12.01,27.5) 12.42,28.15 12.43,28.16 v5(12.44,28.16) 11.72,28.45 U3800.H8 11.69,28.53 ; U3801.R5 v5(31.09,44.77) ; U3801.K1 28.23,40.9 27.93,40.6 v5(27.89,40.6) ; U3800.F5 14.09,27.23 13.86,27.31 13.74,27.55 v5(13.66,27.58) ; U3801.H1 26.93,40.57 v5(27,40.5) ; U3801.H5 v5(27.23,44.67) ; v5(9.72,29.53) U3800.K10 10.09,29.83 ; U3801.H12 v5(26.67,50.05) ; 8.49,29.83 U3800.K12 v5(8.14,29.53) ; U3800.U5 v5(13.58,35.02) ; 15.69,31.78 v5(16.07,32.07) ; U3800.N10 v5(9.71,32.1)